# Altium PCB NxtPX4.PcbDoc (part 3 of 6) (continued)
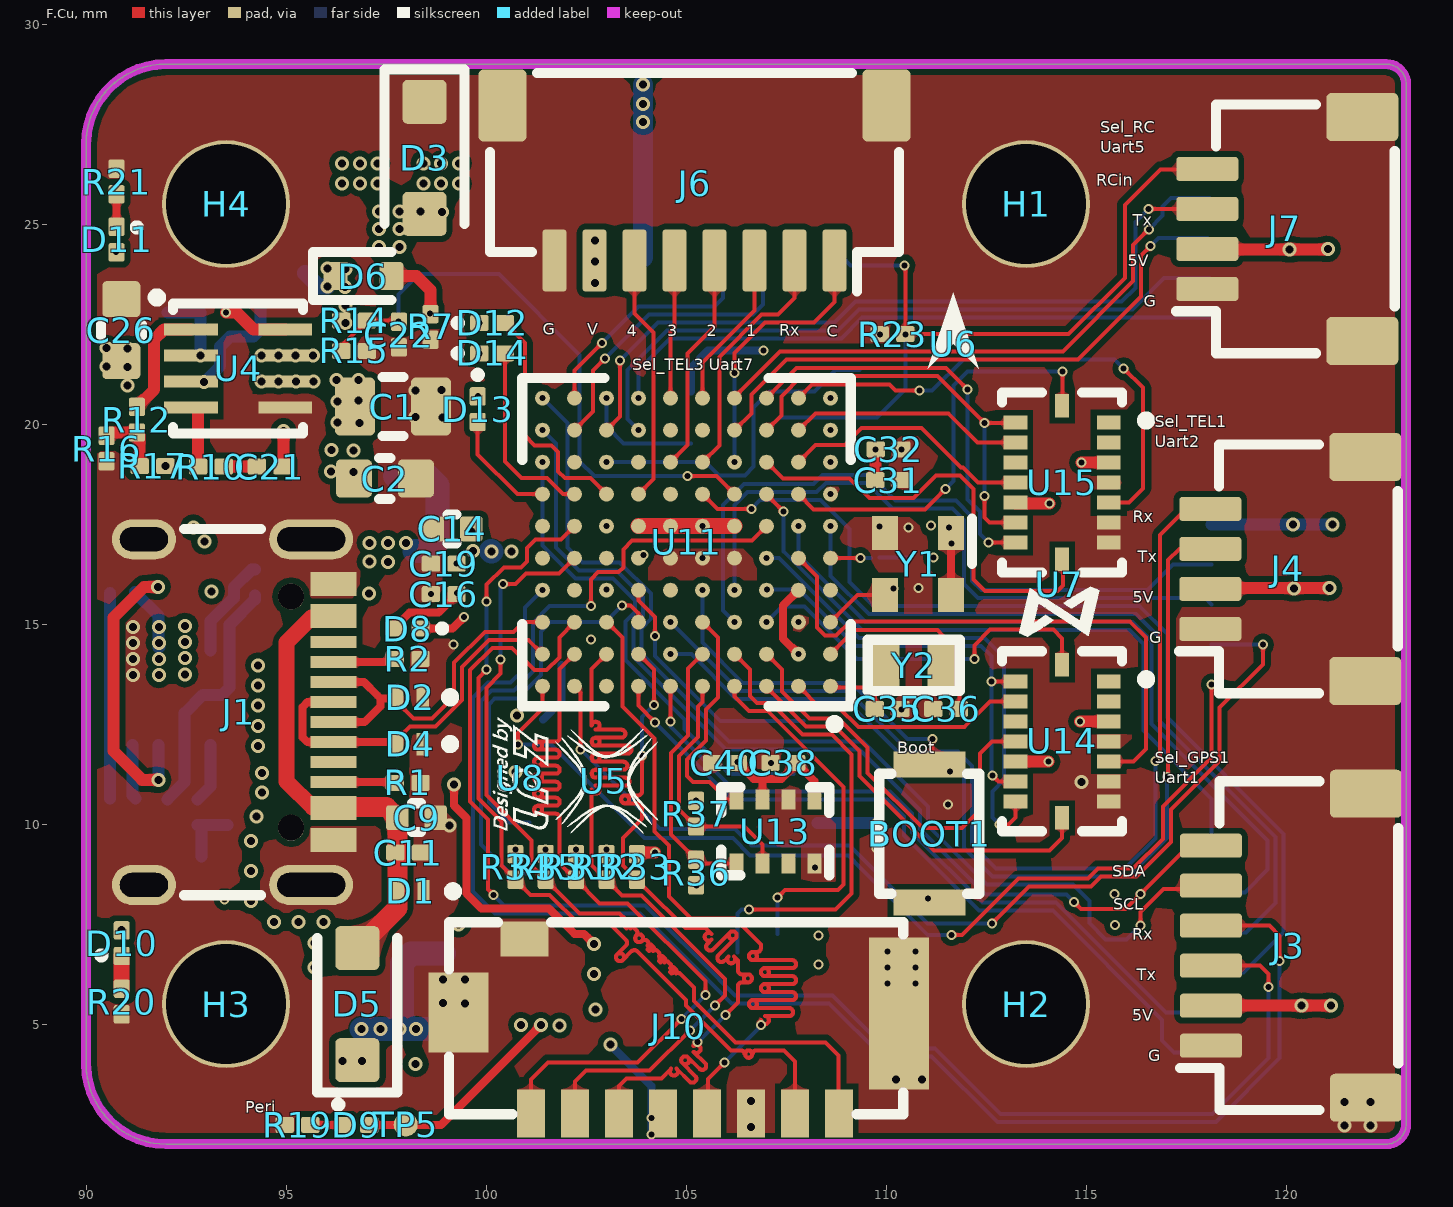
[diagram p0: F.Cu view]
## Part data (continued)
TP1 TP2 TP5 TP9 TP12: library part MiniTP, Sheetfile=NxtPX4.kicad_sch, ki_description="test point", ki_keywords="test point tp"
U5: library part Uav_logo, Sheetfile=NxtPX4.kicad_sch
U8: library part my_signature, Sheetfile=NxtPX4.kicad_sch
U11: library part STM32H743VIHBGA100C80P10X10_800X800X110N, Sheetfile=NxtPX4.kicad_sch, ki_keywords=STM32H743VIH6
U13: library part Bosch_LGA-8_2x2.5mm_P0.65mm_ClockwisePinNumbering, "LGA-8, https://ae-bst.resource.bosch.com/media/_tech/media/datasheets/BST-BMP280-DS001-18.pdf", Sheetfile=NxtPX4.kicad_sch, ki_keywords=barometer,pressure,
U14 U15: "BMI088 footprint", Sheetfile=NxtPX4.kicad_sch
U16: library part SOIC-8_5.23x5.23mm_P1.27mm, "SOIC, 8 Pin (http://www.winbond.com/resource-files/w25q32jv%20revg%2003272018%20plus.pdf#page=68), generated with kicad-footprint-generator ipc_gullwing_generator.py", Sheetfile=NxtPX4.kicad_sch, ki_description="128Mb Serial Flash Memory, Standard/Dual/Quad SPI, SOIC-8", ki_keywords="flash memory SPI QPI DTR"
U19: library part DCK5, Sheetfile=NxtPX4.kicad_sch, ki_keywords=SN74LVC1G86DCKR
Y1: library part Oscillator_SMD_Abracon_ASDMB-4Pin_2.5x2.0mm, "Miniature Crystal Clock Oscillator Abracon ASDMB series, 2.5x2.0mm package, http://www.abracon.com/Oscillators/ASDMB.pdf", Sheetfile=NxtPX4.kicad_sch, ki_description=Oscillation, ki_keywords="ST high for enable oscillation"
Y2: library part LSE(2012), Sheetfile=NxtPX4.kicad_sch
D2 D4: Sheetfile=NxtPX4.kicad_sch, ki_description="ESD protection diode, 5.0Vrwm, SOD-923", ki_keywords="diode TVS ESD"
U1 U4: Sheetfile=NxtPX4.kicad_sch, ki_description="36V DCDC Buck"
U2 U3 U6 U7 U9 U10: Sheetfile=NxtPX4.kicad_sch

## Via types
v1: diameter 0.25, hole 0.15, F.Cu to B.Cu, tented both sides, 149 vias
v2: diameter 0.35, hole 0.2, F.Cu to B.Cu, tented both sides, 147 vias

## Nets (pads, with @x,y where several pads share a name; then routed paths per layer and width w, separated by ;. In a path a pad name is that pad's centre, name@x,y a point inside that pad or via, vN(x,y) a via of type N, cw(c..) or ccw(c..) an arc to the next point about the centre after c; other vN are vias at no path point)
ADC1_INP4_BATT_V: C22.1 R14.2 R15.1 U11.G4 | length 14.8
  F.Cu w0.1: R15.1@96.38,21.96 R14.2@97.02,22.6 C22.1@97.79,22.6 ; v1(105.03,18.71) 105.76,18.71 U11.G4@106.21,18.26
  B.Cu w0.1: v1(97.81,22.57) 97.81,23.25 98.32,23.76 100.32,23.76 102.34,21.74 102.34,19.08 102.71,18.71 v1(105.03,18.71)
ADC2_INP8_BATT_I: J6.1 U11.H4 | length 6.8
  F.Cu w0.1: v1(106.214,21.29) 106.214,21.794 106.97,22.55 108.2,22.55 108.71,23.06 J6.1@108.71,24.1
  B.Cu w0.1: v1(106.21,19.06) 106.214,19.064 v1(106.214,21.29)
AUX1_PC0: J12.3 U11.F1 | length 19.8
  B.Cu w0.1: v1(108.61,17.46) 108.61,16.217 109.567,15.26 116.246,15.26 116.83,14.676 116.83,12.593 119.74,9.683 119.74,8.04 119,7.3 J12.3@118.14,7.3
AUX2_PC1: J12.2 U11.F2 | length 19
  B.Cu w0.1: v1(107.81,17.46) 107.81,16.734 109.484,15.06 116.163,15.06 116.63,14.593 116.63,12.51 119.54,9.6 119.54,8.87 118.97,8.3 J12.2@118.14,8.3
AUX3_PA4: J12.1 U11.G3 | length 17.5
  F.Cu w0.1: U11.G3@107.01,18.25 v1(107.43,17.83)
  B.Cu w0.1: v1(107.43,17.83) 107.43,16.831 109.401,14.86 116.08,14.86 116.43,14.51 116.43,12.35 118.14,10.64 J12.1@118.14,9.3
Baro_I2C1_DR: U11.C5 U13.5 | length 5.8
  F.Cu w0.1: U11.C5@105.41,15.06 105.8,14.67 105.8,13.17 105.5,12.87 105.5,12.105 105.02,11.625 105.02,11.21 105.17,11.06 105.58,11.06 106.01,10.63 U13.5@106.255,10.63
Baro_I2C1_SCL: R36.1 U11.B5 U13.4 | length 6.6
  F.Cu w0.1: R36.1@105.25,9.12 104.62,9.75 104.62,11.791 105.05,12.221 105.05,13.9 U11.B5@105.41,14.26 ; R36.1@105.34,9.03 U13.4@106.255,9.03
Baro_I2C1_SDA: R37.1 U11.A5 U13.3 | length 6.2
  F.Cu w0.1: U11.A5@105.41,13.46 105.41,13.063 105.3,12.953 105.3,12.188 104.82,11.708 104.82,10.38 R37.1@105.25,9.95 106.46,9.95 106.905,9.505 U13.3@106.905,9.03
BMI088_0_ACS: U11.J2 U15.14 | length 5.9
  F.Cu w0.1: U11.J2@107.81,19.86 108.23,20.279 111.553,20.279 112.283,19.55 U15.14@113.24,19.55
BMI088_0_ADR: U11.G2 U15.16 | length 10.5
  F.Cu w0.1: U11.G2@107.81,18.26 108.19,17.88 110.97,17.88 v1(111.48,18.39) ; U15.16@114.41,20.45 v1(114.41,21.33)
  B.Cu w0.1: v1(111.48,18.39) 111.68,18.59 111.68,20.97 112.04,21.33 v1(114.41,21.33)
BMI088_0_GCS: U11.K2 U15.5 | length 12.7
  F.Cu w0.1: U11.K2@107.81,20.66 108.145,20.995 110.085,20.995 110.23,20.85 v1(110.84,20.85) ; U15.5@115.835,18.05 116.07,18.05 116.42,18.4 116.42,20.92 v1(115.94,21.4)
  B.Cu w0.1: v1(110.84,20.85) 111.15,20.85 111.93,21.63 115.71,21.63 v1(115.94,21.4)
BMI088_0_GDR: U11.H2 U15.12 | length 6.3
  F.Cu w0.1: U11.H2@107.81,19.06 108.24,19.49 108.97,19.49 109.39,19.91 110.88,19.91 111.87,18.92 111.926,18.92 112.296,18.55 U15.12@113.24,18.55
BMI088_0_MISO: U11.J3 U15.10 U15.15 | length 10.8
  F.Cu w0.1: U11.J3@107.01,19.86 107.38,20.23 107.38,20.704 107.886,21.21 111.29,21.21 v1(112.46,20.04) U15.15@113.24,20.04 ; v1(112.46,18.21) 112.46,17.67 112.58,17.55 U15.10@113.24,17.55
  B.Cu w0.1: v1(112.46,18.21) v1(112.46,20.04)
BMI088_0_MOSI: U11.K3 U15.9 | length 10.3
  F.Cu w0.1: U11.K3@107.01,20.66 107.76,21.41 111.5,21.41 v1(112.04,20.87) ; v1(112.56,17.05) U15.9@113.25,17.05
  B.Cu w0.1: v1(112.04,20.87) 112.04,18.13 112.35,17.82 112.35,17.26 v1(112.56,17.05)
BMI088_0_SCK: U11.H3 U15.8 | length 11.2
  F.Cu w0.1: U11.H3@107.01,19.06 107.42,18.65 109.09,18.65 109.58,18.16 110.69,18.16 111.25,18.72 111.843,18.72 112.18,18.383 112.18,16.13 112.47,15.84 114.28,15.84 114.42,15.98 U15.8@114.42,16.64
BMI088_1_ACS: U11.A2 U14.14 | length 6.1
  F.Cu w0.1: U11.A2@107.81,13.46 108.34,12.93 108.814,12.93 109.304,12.44 111.954,12.44 112.594,13.08 U14.14@113.235,13.08
BMI088_1_ADR: U11.C3 U14.16 | length 9.3
  F.Cu w0.1: v1(112.21,14.14) 112.21,14.48 112.6,14.87 114.18,14.87 114.4,14.65 U14.16@114.4,13.995
  B.Cu w0.1: v1(107.01,15.06) 107.397,15.447 107.963,15.447 109.27,14.14 v1(112.21,14.14)
BMI088_1_GCS: U11.E2 U14.5 | length 14.4
  F.Cu w0.1: U11.E2@107.81,16.66 108.275,16.195 108.275,14.921 108.471,14.725 108.749,14.725 109.093,15.069 116.1,15.069 116.5,14.67 116.5,11.89 116.19,11.58 U14.5@115.565,11.58
BMI088_1_GDR: U11.B3 U14.12 | length 10.4
  F.Cu w0.1: U11.B3@107.01,14.26 107.4,13.87 107.4,13.33 108.08,12.65 108.811,12.65 109.54,11.921 109.54,11.292 110.921,9.911 111.901,9.911 112.35,10.36 112.35,11.78 112.65,12.08 U14.12@113.235,12.08
BMI088_1_MISO: U11.D3 U14.10 U14.15 | length 10.5
  F.Cu w0.1: v1(112.63,13.57) U14.15@113.225,13.57 ; v1(112.655,11.23) 112.805,11.08 U14.10@113.235,11.08
  B.Cu w0.1: v1(107.02,15.87) 107.826,15.87 109.236,14.46 112.377,14.46 112.63,14.207 v1(112.63,13.57) 112.63,11.255 v1(112.655,11.23)
BMI088_1_MOSI: U11.E3 U14.9 | length 12.2
  F.Cu w0.1: v1(112.84,10) 113.06,10 113.235,10.175 U14.9@113.235,10.58
  B.Cu w0.1: v1(107.01,16.66) 107.319,16.66 109.319,14.66 112.46,14.66 112.95,14.17 112.95,11.12 112.66,10.83 112.66,10.18 v1(112.84,10)
BMI088_1_SCK: U11.A3 U14.8 | length 10.1
  F.Cu w0.1: U11.A3@107.01,13.437 107.997,12.45 108.728,12.45 109.34,11.838 109.34,11.21 111.2,9.35 114.09,9.35 114.4,9.66 U14.8@114.4,10.165
CAM_9V: C26.1 D11.2 J2.1 L2.2 R17.2 TP12.1 | length 4.3
  B.Cu w0.5: J2.1@103.92,24.17 103.926,24.176 v2(103.926,27.56) v2(103.926,28.016) v2(103.926,28.506)
  other v1: 90.75,24.31
  other v2: 91.98,18.96 91.04,20.975 90.51,21.445 91.04,21.44 91.04,21.905 90.51,21.91
Core_3V3: BOOT1.1 C14.1 C16.1 C19.1 C29.2 C31.1 C32.1 C34.1 C38.1 C40.1 C41.1 C42.1 C44.1 C45.1 D8.2 R27.1 R29.2 R30.2 R31.2 R32.2 R33.2 R34.2 R35.2 R36.2 R37.2 TP2.1 U2.5 U11.B2 U11.D2 U11.D8 U11.F4 U11.F5 U11.F6 U11.F7 U11.H1 U11.K1 U13.6 U13.8 U14.3 U14.11 U15.3 U15.11 U19.5 Y1.1 Y1.4 | length 83.1
  F.Cu w0.2: D8.2@97.72,14.93 98.09,15.3 98.814,15.3 C16.1@99.26,15.746 ; C40.1@106.29,11.54 106.69,11.14 ; U13.6@106.905,10.63 106.905,11.135 106.9,11.14 106.69,11.14 ; C38.1@107.75,11.54 108.205,11.085 U13.8@108.205,10.63 ; C38.1@107.76,11.52 107.38,11.14 106.69,11.14 ; v1(107.81,14.26) 107.425,14.645 107.425,15.475 U11.D2@107.81,15.86 ; Y1.4@111.625,15.735 Y1.1@111.625,17.465
  F.Cu w0.3: R33.2@103.8,9.3 v1@104.22,9.3 ; C31.1@109.73,18.61 C32.1@109.73,19.36 ; U15.11@113.23,18.03 v1(114.08,18.03) ; U14.11@113.245,11.57 v1(114.06,11.57) ; v1(114.85,12.58) U14.3@115.565,12.58 ; v1(114.88,19.05) U15.3@115.565,19.05
  F.Cu w0.4: U11.F7@103.81,17.46 105.76,17.46 ; 105.78,17.46 105.79,17.46 U11.F4@106.21,17.46
  In2.Cu w0.2: v1(107.81,14.26) 107.81,12.4 107.83,12.38 ; 111.05,9.02 114.95,9.02 v1(115.71,8.26) 115.71,7.5 v1(115.72,7.49) ; v1(111.12,17.47) 111.35,17.7 111.35,17.76 ; v1(111.19,16.67) 111.61,16.67
  In2.Cu w0.3: v1(100.73,9.37) 104.15,9.37 v1(104.221,9.299) ; 102.595,16.275 103,15.87 v1(103.01,15.87) ; 104.221,10.71 v1(104.221,9.299) ; v1(105.25,10.6) 105.25,10.922 105.26,10.932 ; v1(105.26,8.48) 104.73,8.48 104.221,8.989 v1(104.221,9.299) ; 108.915,12.535 109.72,11.73 109.72,11.39 111.05,10.06 v1(111.05,8.15) ; 110.76,14.39 113.58,11.57 v1(114.06,11.57) 114.85,12.36 v1(114.85,12.58) ; 111.61,16.44 112.49,16.44 114.88,18.83 v1(114.88,19.05)
  In2.Cu w0.4: v2(99.64,17.33) 99.91,17.6 101.03,17.6 101.44,17.19 101.44,16.46 101.76,16.14 102.13,16.14 ; v1(105.41,17.46) 103.78,17.46 102.595,16.275 102.46,16.14 102.13,16.14 ; v1(106.93,21.85) 107.42,21.85 v1(108.61,20.66) 109.26,20.66 109.74,20.18 v1(109.74,19.37) ; v1(108.61,19.06) 108.92,19.37 v1(109.74,19.37) ; 102.13,16.14 102.13,12.81 104.008,10.932 105.26,10.932 105.662,10.932 v1(106.29,11.56) 107.11,12.38 107.83,12.38 108.75,12.38 110.425,14.055 110.76,14.39 110.76,15.02 111.61,15.87 111.61,16.44 111.61,16.67 111.61,17.5 111.573,17.537 111.35,17.76 v1(109.74,19.37)
  B.Cu w0.2: U19.5@105.119,20.83 105.119,21.419 105.55,21.85 v1(106.93,21.85)
  B.Cu w0.6: U2.5@100.12,16.836 v2(100.14,16.83)
  other v1: 101.49,9.37 102.25,9.37 103.01,9.37 99.27,15.79 99.26,16.53 111.63,17.03 111.573,17.423
  other v2: 99.67,16.84 100.64,16.83
EX_I2C4_SCL: J3.5 R29.1 U11.K10 | length 26.7
  F.Cu w0.1: v1(116.36,7.48) 116.36,7.81 116.94,8.39 J3.5@118.14,8.39
  B.Cu w0.1: v1(101.41,20.66) 102.03,20.04 102.03,16.926 102.406,16.55 103.34,16.55 104.12,15.77 104.12,15.144 103.88,14.904 103.88,14.276 106.076,12.08 109.42,12.08 111.05,10.45 111.05,9.969 112.519,8.5 114.67,8.5 115.08,8.09 115.08,7.534 115.484,7.13 116.01,7.13 v1(116.36,7.48)
EX_I2C4_SDA: J3.6 R30.1 U11.J10 | length 25.3
  F.Cu w0.1: v1(114.695,8.065) 114.87,7.89 115.99,7.89 v1(116.36,8.26) 117.57,9.47 J3.6@118.12,9.47
  B.Cu w0.1: v1(101.413,19.859) 101.75,19.522 101.75,16.923 102.323,16.35 103.257,16.35 103.92,15.687 103.92,15.227 103.68,14.987 103.68,14.193 105.993,11.88 109.338,11.88 110.85,10.368 110.85,9.886 112.486,8.25 114.51,8.25 v1(114.695,8.065)
EX_SPI3_MISO: J12.5 U11.A6 | length 17.8
  F.Cu w0.1: v1(104.61,12.57) U11.A6@104.61,13.46
  B.Cu w0.1: v1(104.61,12.57) 104.61,12.452 106.232,10.83 110.1,10.83 110.65,10.28 110.65,9.804 112.404,8.05 114.25,8.05 117,5.3 J12.5@118.14,5.3
EX_SPI3_MOSI: J12.4 U11.G5 | length 24.9
  F.Cu w0.1: U11.G5@105.41,18.26 105.78,17.89 v1(106.63,17.89)
  B.Cu w0.1: v1(106.63,17.89) 106.85,18.11 108.356,18.11 109.08,17.386 109.08,16.06 109.68,15.46 116.329,15.46 117.03,14.759 117.03,12.676 119.94,9.766 119.94,7.3 118.94,6.3 J12.4@118.14,6.3
EX_SPI3_SCK: J12.6 U11.A7 | length 19
  F.Cu w0.1: U11.A7@103.81,13.46 103.81,12.97 v1(104.225,12.555)
  B.Cu w0.1: v1(104.225,12.555) 106.15,10.63 110.018,10.63 110.45,10.198 110.45,9.721 112.321,7.85 114.167,7.85 116.9,5.117 116.9,4.6 117.2,4.3 J12.6@118.14,4.3
FRAM_SPI2_MISO: U11.H10 U16.2 | length 12.1
  B.Cu w0.1: v1(101.41,19.06) 101.41,16.98 102.24,16.15 103.174,16.15 103.72,15.604 103.72,15.31 103.48,15.07 103.48,14.11 104.96,12.63 104.96,12.384 106.084,11.26 U16.2@107.68,11.26
FRAM_SPI2_MOSI: U11.F3 U16.5 | length 15.4
  F.Cu w0.1: v1(102.62,15.46) 102.62,16.13 102.8,16.31 103.31,16.31 103.43,16.43 103.43,16.88 103.65,17.1 106.65,17.1 U11.F3@107.01,17.46
  B.Cu w0.1: U16.5@101.08,8.775 100.595,8.775 99.87,9.5 99.87,13.087 100.133,13.35 100.697,13.35 101.17,13.823 101.17,15.04 101.59,15.46 v1(102.62,15.46)
FRAM_SPI2_SCK: U11.C7 U16.6 | length 9.4
  F.Cu w0.1: v1(103.4,15.48) 103.61,15.48 103.81,15.28 U11.C7@103.81,15.06
  B.Cu w0.1: U16.6@101.08,10.045 100.585,10.045 100.07,10.56 100.07,13.004 100.216,13.15 100.78,13.15 101.37,13.74 101.37,14.827 101.603,15.06 102.98,15.06 v1(103.4,15.48)
FRAM_SPI2_{\C\S\}\: U11.D7 U16.1 | length 6.2
  F.Cu w0.1: U11.D7@103.81,15.86 103.81,15.595 104.22,15.185 v1(104.22,14.71)
  B.Cu w0.1: v1(104.22,14.71) 104.22,14.219 105.854,12.585 U16.1@107.93,12.585
GND: C1.2 C2.2 C3.2 C4.2 C5.2 C6.2 C7.2 C8.2 C9.2 C10.2 C11.2 C12.2 C13.2 C14.2 C15.2 C16.2 C18.2 C19.2 C20.2 C22.2 C23.2 C24.2 C26.2 C27.1 C28.1 C29.1 C30.2 C31.2 C32.2 C33.2 C34.2 C35.2 C36.2 C37.2 C38.2 C39.2 C40.2 C41.2 C42.2 C43.1 C44.2 C45.2 D1.1 D2.1 D3.1 D4.1 H1.1 H2.1 H3.1 H4.1 J1.A1 J1.A12 J1.B1 J1.B12 J1.S1 J2.2 J2.5 J2.MP J3.1 J3.MP J4.1 J4.MP J5.1 J5.MP J6.8 J6.MP J7.1 J7.MP J8.1 J8.MP J10.6 J10.9 J11.1 J11.MP J12.MP R1.1 R2.1 R7.2 R11.1 R15.2 R16.1 R18.1 R19.1 R20.1 R21.1 R23.1 R24.2 R25.2 R26.2 R28.1 R38.1 U1.5 U2.2 U3.2 U4.5 U11.C2 U11.E4 U11.E5 U11.E6 U11.G1 U11.J1 U13.1 U13.7 U14.4 U14.6 U14.7 U15.4 U15.6 U15.7 U16.4 U19.3 Y1.2 | length 0.4
  B.Cu w0.1: J2.2@104.83,23.683 J2.2@104.83,24.08
  other v1: 110.03,6.02 110.73,6.02 110.03,6.42 110.73,6.42 110.03,6.82 110.73,6.82 108.22,8.92 109.76,9.4 111.55,10.5 107.12,11.54 110.38,12.88 99.19,14.5 102.62,14.62 107.81,15.06 98.62,15.76 110.81,15.91 105.41,16.66 110.56,17.43 109.83,17.45 108.61,18.26 110.38,19.37 108.61,19.86 109.85,22.25
  other v2: 106.62,2.44 121.46,2.47 122.11,2.47 121.46,3.06 122.11,3.06 106.62,3.09 110.25,3.62 110.9,3.62 98.92,5.54 99.47,5.53 98.92,6.13 99.47,6.13 99.08,9.98 114.88,11.06 91.17,13.74 91.17,14.14 91.17,14.54 91.17,14.94 98.91,20.17 98.23,20.19 98.23,20.85 98.89,20.86
LED_BLUE: D13.2 U11.G10 | length 2.8
  F.Cu w0.1: D13.2@99.79,20.062 99.79,19.25 100.78,18.26 U11.G10@101.41,18.26
LED_GREEN: D14.2 U11.G9 | length 4.8
  F.Cu w0.1: D14.2@100.47,21.78 100.47,19.08 100.89,18.66 101.52,18.66 101.92,18.26 U11.G9@102.21,18.26
LED_RED: D12.2 U11.G8 | length 6
  F.Cu w0.1: D12.2@100.47,22.54 100.97,22.04 100.97,19.72 101.21,19.48 101.63,19.48 101.8,19.31 101.8,18.83 101.97,18.66 102.61,18.66 U11.G8@103.01,18.26
Net-(C17-Pad1): C17.1 R8.2 | length 5.1
  B.Cu w0.3: R8.2@90.6,10.65 C17.1@90.6,15.79
Net-(C21-Pad1): C21.1 R10.2 | length 0.8
  F.Cu w0.3: R10.2@93.44,18.95 C21.1@94.27,18.95
Net-(C27-Pad2): C27.2 U11.E7
  other v1: 103.93,16.74
Net-(C28-Pad2): C28.2 U11.F8
  other v1: 103.01,17.46
Net-(D6-A): D6.2 Q1.1 R7.1 | length 1.7
  F.Cu w0.3: D6.2@97.63,23.71 98.26,23.71 98.61,23.36 R7.1@98.61,22.76
  other v1: 98.6,22.77
Net-(D8-K): D8.1 R18.2 | length 1.2
  F.Cu w0.2: D8.1@98.36,14.9 99.16,14.9 v1(99.45,15.19)
Net-(D9-K): D9.1 R19.2 | length 0.8
  F.Cu w0.2: R19.2@95.605,2.49 D9.1@96.44,2.49
Net-(D10-K): D10.1 R20.2 | length 0.8
  F.Cu w0.4: R20.2@90.89,5.895 D10.1@90.89,6.713
Net-(D11-K): D11.1 R21.2 | length 0.8
  F.Cu w0.2: D11.1@90.76,24.945 R21.2@90.76,25.755
Net-(D12-K): D12.1 R24.1
  other v1: 99.83,22.54
Net-(D13-K): D13.1 R25.1
  other v1: 99.8,20.71
Net-(D14-K): D14.1 R26.1
  other v1: 99.835,21.78
Net-(J1-CC1): J1.A5 R2.2 | length 1.6
  F.Cu w0.2: J1.A5@96.19,14.06 97.57,14.06 R2.2@97.71,14.2
Net-(J1-CC2): J1.B5 R1.2 | length 1.5
  F.Cu w0.2: J1.B5@96.19,11.06 R1.2@97.7,11.06
Net-(R11-Pad2): R9.2 R11.2 R13.1 | length 1.6
  B.Cu w0.3: R11.2@92.88,9.2 92.88,9.902 R9.2@92.79,9.992 R13.1@93.54,9.992
Net-(R12-Pad2): R12.2 R16.2 R17.1 | length 1.6
  F.Cu w0.3: R16.2@90.51,19.8 R12.2@91.27,19.8 91.34,19.73 R17.1@91.34,18.96
Net-(U1-BST): R8.1 U1.4 | length 1.4
  B.Cu w0.3: U1.4@91.165,11.993 91.165,10.725 R8.1@91.24,10.65
Net-(U1-EN{slash}SYNC): R3.2 U1.3 | length 7.1
  F.Cu w0.3: v2(91.8,15.94) 91.45,15.94 90.68,15.17 90.68,11.84 91.402,11.118 v2(91.814,11.118)
  B.Cu w0.3: v2@91.815,11.119 U1.3@91.815,11.993
Net-(U1-FB): R9.1 U1.1 | length 1.5
  B.Cu w0.3: R9.1@92.79,10.632 93.115,10.957 U1.1@93.115,11.993
Net-(U1-PG): R4.2 U1.8 | length 2.5
  B.Cu w0.3: U1.8@93.115,14.35 93.115,15.091 93.693,15.668 93.693,15.927 94.135,16.37 R4.2@94.22,16.37
Net-(U1-SW): C17.2 L1.1 U1.6 | length 1.6
  B.Cu w0.3: C17.2@91.22,15.81 91.815,15.215 91.815,14.895 91.82,14.89 91.815,14.885 91.815,14.455 91.83,14.44 U1.6@91.815,14.425
  other v2: 94.3,11.96 94.3,12.465 94.3,12.97 94.3,13.475 91.82,13.74 94.3,13.98 91.82,14.14 91.82,14.54 91.82,14.94
Net-(U1-VCC): C7.1 R4.1 U1.2 | length 6.3
  B.Cu w0.3: C7.1@92.03,10.632 92.465,11.067 U1.2@92.465,11.993 92.465,12.785 92.92,13.24 93.4,13.24 93.59,13.43 93.59,15 94.22,15.63 R4.1@94.22,15.73
Net-(U4-BST): R10.1 U4.4 | length 1.4
  F.Cu w0.3: R10.1@92.8,18.95 U4.4@92.8,20.37
Net-(U4-EN{slash}SYNC): R5.2 U4.3 | length 2.8
  B.Cu w0.3: v2(92.95,21.06) 93.35,21.46 93.35,21.95 93.6,22.2 94.18,22.2 94.36,22.38 R5.2@94.36,22.92
Net-(U4-FB): R12.1 U4.1 | length 2.9
  F.Cu w0.3: R12.1@91.27,20.44 91.701,20.871 91.701,22.128 91.948,22.375 U4.1@92.621,22.375
Net-(U4-PG): R6.2 U4.8 | length 1.7
  F.Cu w0.3: v1(93.5,22.8) 93.76,22.8 94.185,22.375 U4.8@94.979,22.375
Net-(U4-SW): C21.2 L2.1 U4.6 | length 0.9
  F.Cu w0.3: C21.2@94.935,18.975 v2(94.935,19.84)
  other v2: 94.38,21.08 94.813,21.08 95.247,21.08 95.68,21.08
Net-(U4-VCC): C10.1 R6.1 U4.2 | length 1.9
  B.Cu w0.3: C10.1@92.04,22.8 R6.1@92.86,22.8 v2(92.86,21.73)
Net-(U11A-PC14-OSC32_IN): C35.1 U11.A1 Y2.2 | length 2.1
  F.Cu w0.1: U11.A1@108.64,13.43 Y2.2@109.7,13.43 ; C35.1@109.72,12.89 Y2.2@109.72,13.885
Net-(U11A-PC15-OSC32_OUT): C36.1 U11.B1 Y2.1 | length 4.5
  F.Cu w0.1: U11.B1@108.61,14.26 109.21,14.86 111.28,14.86 111.415,14.725 Y2.1@111.415,13.98 ; Y2.1@111.68,13.5 111.83,13.35 C36.1@111.83,12.89
Net-(U11B-BOOT0): BOOT1.2 R28.2 U11.D5 | length 8.5
  F.Cu w0.1: BOOT1.2@111.16,11.69 v1(111.16,12.14)
  B.Cu w0.1: v1(105.41,15.86) 105.41,14.546 106.416,13.54 109.13,13.54 110.53,12.14 v1(111.16,12.14)
  other v1: 111.6,11.33
Net-(U11B-PH0-OSC_IN): C30.1 U11.C1 Y1.3 | length 1.6
  F.Cu w0.1: U11.C1@108.61,15.06 109.285,15.735 Y1.3@109.975,15.735
  other v1: 110.18,15.9
NRST: C33.1 R27.2 U11.E1 | length 1.7
  F.Cu w0.1: U11.E1@108.61,16.66 v1(109.36,16.66)
  B.Cu w0.1: v1(109.36,16.66) C33.1@109.62,16.66 ; C33.1@109.835,16.67 R27.2@110.55,16.67
Periph_3V3: C15.1 C18.1 C20.1 C37.1 C39.1 C43.2 D9.2 J10.4 TP5.1 U3.5 U16.3 U16.7 U16.8 | length 30.9
  F.Cu w0.2: D9.2@97.09,2.49 98.87,2.49 v2(101.37,4.99) ; v2(99.198,11) 99.198,10.479 99.51,10.166 99.51,8.27 99.88,7.9 101.574,7.9 102.214,7.26 102.45,7.26 v2(102.7,7.01)
  In2.Cu w0.2: v2(100.73,11.31) 100.42,11 v2(99.198,11) 99.198,12.128 99.794,12.724 v2(100.776,12.724)
  In2.Cu w0.3: v2(102.7,7.01) 107.36,7.01 109.14,8.79 109.14,9.43 v1(109.75,10.04)
  B.Cu w0.2: U16.8@101.42,12.62 101.88,13.08 C39.1@101.88,13.99 ; C37.1@103.11,4.486 104.13,3.466 v1(104.13,2.66) v1(104.13,2.25)
  B.Cu w0.3: U16.3@108.29,10.04 v1(109.75,10.04)
  other v2: 103.11,4.5 100.87,4.99 101.84,4.98 102.73,5.37 102.7,6.26
SBUS: J2.6 J7.4 R23.2 U19.2 | length 18.4
  F.Cu w0.1: v1(110.46,23.98) 110.48,23.96 v1(110.48,22.25) ; R23.2@110.48,22.26 114.564,22.26 115.97,23.666 115.97,25.49 116.86,26.38 J7.4@118.02,26.38
  B.Cu w0.1: U19.2@107.361,20.18 109.77,20.18 110.48,20.89 v1(110.48,22.25) ; J2.6@108.92,24.17 109.11,23.98 v1(110.46,23.98)
SBUS_INV: R38.2 U11.H8 U19.1 | length 8.4
  B.Cu w0.1: v1(103.01,19.06) 105.49,19.06 105.82,18.73 106.47,18.73 106.69,18.95 106.69,20.429 107.091,20.83 U19.1@107.361,20.83 108.21,20.83 108.74,21.36 R38.2@109.34,21.36
SCLK: J11.5 U11.A9 | length 26.2
  F.Cu w0.1: U11.A9@102.2,13.45 102.366,13.284 v1(102.366,11.87) ; v1(112.65,7.53) 113.57,8.45 115.128,8.45 115.378,8.7 116.26,8.7 117.12,9.56 117.12,10.37 118.34,11.59 118.34,12.92 119.42,14 v1(119.42,14.5)
  B.Cu w0.1: v1(102.366,11.87) 104.346,9.89 106.219,9.89 106.629,9.48 109.086,9.48 109.4,9.166 109.4,9.164 111.034,7.53 v1(112.65,7.53) ; J11.5@118.14,14.5 v1(119.42,14.5)
SDMMC1_CK: J10.5 U11.C8 | length 25
  F.Cu w0.1: U11.C8@103.02,15.06 103.41,14.67 103.41,12.95 104.21,12.15 104.21,9.83 104.57,9.47 104.57,8.2 105.12,7.651 106.22,7.651 106.87,7 106.87,6.91 cw(c106.77,6.91) 106.77,6.81 106.67,6.81 cw(c106.67,6.71) 106.57,6.71 cw(c106.67,6.71) 106.67,6.61 107.648,6.61 cw(c107.648,6.51) 107.748,6.51 cw(c107.648,6.51) 107.648,6.41 106.97,6.41 cw(c106.97,6.31) 106.87,6.31 cw(c106.97,6.31) 106.97,6.21 107.648,6.21 cw(c107.648,6.11) 107.748,6.11 cw(c107.648,6.11) 107.648,6.01 106.97,6.01 cw(c106.97,5.91) 106.87,5.91 cw(c106.97,5.91) 106.97,5.81 107.648,5.81 cw(c107.648,5.71) 107.748,5.71 cw(c107.648,5.71) 107.648,5.61 106.67,5.61 cw(c106.67,5.51) 106.57,5.51 cw(c106.67,5.51) 106.67,5.41 107.576,5.41 cw(c107.576,5.31) 107.676,5.31 cw(c107.576,5.31) 107.576,5.21 106.97,5.21 cw(c106.97,5.11) 106.87,5.11 v1(106.87,4.99) ; J10.5@105.545,3.012 105.545,3.635 v1(105.96,4.05)
  B.Cu w0.1: v1(105.96,4.05) 106.87,4.96 v1(106.87,4.99)
SDMMC1_CMD: J10.3 R33.1 U11.B7 | length 24.5
  F.Cu w0.1: J10.3@103.32,2.78 103.32,3.46 103.51,3.65 104.38,3.65 104.624,3.894 ccw(c104.695,3.824) 104.766,3.894 105.084,3.576 ccw(c105.155,3.647) 105.225,3.576 ccw(c105.155,3.647) 105.225,3.718 104.907,4.036 ccw(c104.978,4.106) 104.907,4.177 ccw(c104.978,4.106) 105.049,4.177 105.331,3.894 ccw(c105.402,3.965) 105.473,3.894 ccw(c105.402,3.965) 105.473,4.036 105.19,4.319 ccw(c105.261,4.389) 105.19,4.46 v1(105.29,4.56) ; R33.1@103.77,8.61 103.951,8.43 103.963,8.43 104.982,7.41 105.49,7.41 105.635,7.265 ccw(c105.564,7.194) 105.635,7.124 105.529,7.018 ccw(c105.6,6.947) 105.529,6.876 ccw(c105.6,6.947) 105.67,6.876 106.095,7.3 ccw(c106.165,7.23) 106.236,7.3 ccw(c106.165,7.23) 106.236,7.159 105.812,6.735 ccw(c105.882,6.664) 105.812,6.593 ccw(c105.882,6.664) 105.953,6.593 106.059,6.699 ccw(c106.13,6.629) 106.201,6.699 106.296,6.604 106.296,6.354 ccw(c106.396,6.354) 106.396,6.254 106.546,6.254 ccw(c106.546,6.154) 106.646,6.154 ccw(c106.546,6.154) 106.546,6.054 106.396,6.054 ccw(c106.396,5.954) 106.296,5.954 106.296,5.555 v1(105.98,5.24) ; R33.1@103.77,8.62 103.42,8.97 103.42,9.66 103.9,10.14 103.9,10.18 103.9,10.43 ccw(c103.8,10.43) 103.8,10.53 103.476,10.53 ccw(c103.476,10.63) 103.376,10.63 ccw(c103.476,10.63) 103.476,10.73 103.8,10.73 ccw(c103.8,10.83) 103.9,10.83 v1(103.9,11.72) ; U11.B7@103.81,14.26 104.2,13.87 v1(104.2,12.992)
  B.Cu w0.1: v1(103.9,11.72) 103.9,12.692 v1(104.2,12.992) ; v1(105.29,4.56) 105.301,4.56 v1(105.98,5.24)
SDMMC1_D0: J10.7 R34.1 U11.F9 | length 23.4
  F.Cu w0.1: v1(100.01,13.87) 99.807,13.667 99.807,10.65 100.38,10.077 100.38,8.97 R34.1@100.73,8.62 101.11,8.24 101.587,8.24 102.317,7.51 103.1,7.51 103.495,7.115 cw(c103.424,7.044) 103.495,6.974 103.276,6.755 cw(c103.347,6.684) 103.276,6.613 cw(c103.347,6.684) 103.418,6.613 103.636,6.832 cw(c103.707,6.761) 103.778,6.832 105,5.61 105,5.47 106.12,4.35 106.37,4.35 cw(c106.37,4.257) 106.463,4.257 cw(c106.556,4.257) 106.556,4.164 106.57,4.164 cw(c106.57,4.257) 106.663,4.257 cw(c106.756,4.257) 106.756,4.35 106.77,4.35 107.45,4.35 107.72,4.08 J10.7@107.72,2.78 ; v1(100.01,15.57) 100.01,15.996 100.444,16.43 100.87,16.43 101.02,16.58 101.02,16.91 101.235,17.125 101.875,17.125 U11.F9@102.21,17.46
  B.Cu w0.1: v1(100.01,13.87) v1(100.01,15.57)
SDMMC1_D1: J10.8 R35.1 U11.E9 | length 23.9
  F.Cu w0.1: v1(100.36,14.125) 100.36,13.77 100.007,13.417 100.007,10.733 101.14,9.6 101.14,8.97 R35.1@101.49,8.62 102.33,7.78 103.34,7.78 103.47,7.65 cw(c103.418,7.598) 103.47,7.546 cw(c103.522,7.494) 103.47,7.442 103.508,7.405 cw(c103.559,7.457) 103.611,7.405 cw(c103.663,7.353) 103.715,7.405 103.753,7.367 cw(c103.683,7.297) 103.753,7.228 cw(c103.823,7.158) 103.753,7.088 103.755,7.086 cw(c103.825,7.156) 103.894,7.086 cw(c103.964,7.017) 104.034,7.086 104.036,7.084 cw(c103.984,7.032) 104.036,6.98 cw(c104.088,6.928) 104.036,6.876 104.073,6.839 cw(c104.125,6.891) 104.177,6.839 cw(c104.229,6.787) 104.281,6.839 104.319,6.801 cw(c104.267,6.75) 104.319,6.698 cw(c104.37,6.646) 104.319,6.594 104.356,6.556 cw(c104.408,6.608) 104.46,6.556 cw(c104.512,6.504) 104.564,6.556 104.601,6.519 cw(c104.549,6.467) 104.601,6.415 cw(c104.653,6.363) 104.601,6.311 104.639,6.273 cw(c104.691,6.325) 104.743,6.273 cw(c104.795,6.221) 104.847,6.273 105.2,5.92 105.2,5.59 106.24,4.55 108.48,4.55 108.81,4.22 J10.8@108.81,3.23 ; v1(100.42,16.01) 100.733,16.01 100.993,16.27 101.82,16.27 U11.E9@102.21,16.66
  B.Cu w0.1: v1(100.36,14.125) 100.36,15.95 v1(100.42,16.01)
SDMMC1_D2: J10.1 R31.1 U11.B9 | length 25.3
  F.Cu w0.1: J10.1@101.12,2.78 101.12,3.62 101.55,4.05 103.789,4.05 v1(104.881,5.142) ; U11.B9@102.21,14.26 101.84,13.89 101.84,12.17 cw(c101.74,12.17) 101.74,12.07 101.3,12.07 cw(c101.3,11.97) 101.2,11.97 cw(c101.3,11.97) 101.3,11.87 101.74,11.87 cw(c101.74,11.77) 101.84,11.77 cw(c101.74,11.77) 101.74,11.67 101.3,11.67 cw(c101.3,11.57) 101.2,11.57 cw(c101.3,11.57) 101.3,11.47 101.74,11.47 cw(c101.74,11.37) 101.84,11.37 cw(c101.74,11.37) 101.74,11.27 101.3,11.27 cw(c101.3,11.17) 101.2,11.17 cw(c101.3,11.17) 101.3,11.07 101.74,11.07 cw(c101.74,10.97) 101.84,10.97 cw(c101.74,10.97) 101.74,10.87 101.3,10.87 cw(c101.3,10.77) 101.2,10.77 cw(c101.3,10.77) 101.3,10.67 101.74,10.67 cw(c101.74,10.57) 101.84,10.57 cw(c101.74,10.57) 101.74,10.47 101.3,10.47 cw(c101.3,10.37) 101.2,10.37 cw(c101.3,10.37) 101.3,10.27 101.74,10.27 cw(c101.74,10.17) 101.84,10.17 101.84,10.124 101.84,9.03 R31.1@102.25,8.62 102.84,8.03 103.54,8.03 105.483,6.087 v1(105.483,5.743)
  B.Cu w0.1: v1(104.881,5.142) v1(105.483,5.743)